# Allegro board HB1A-AAFM.brd
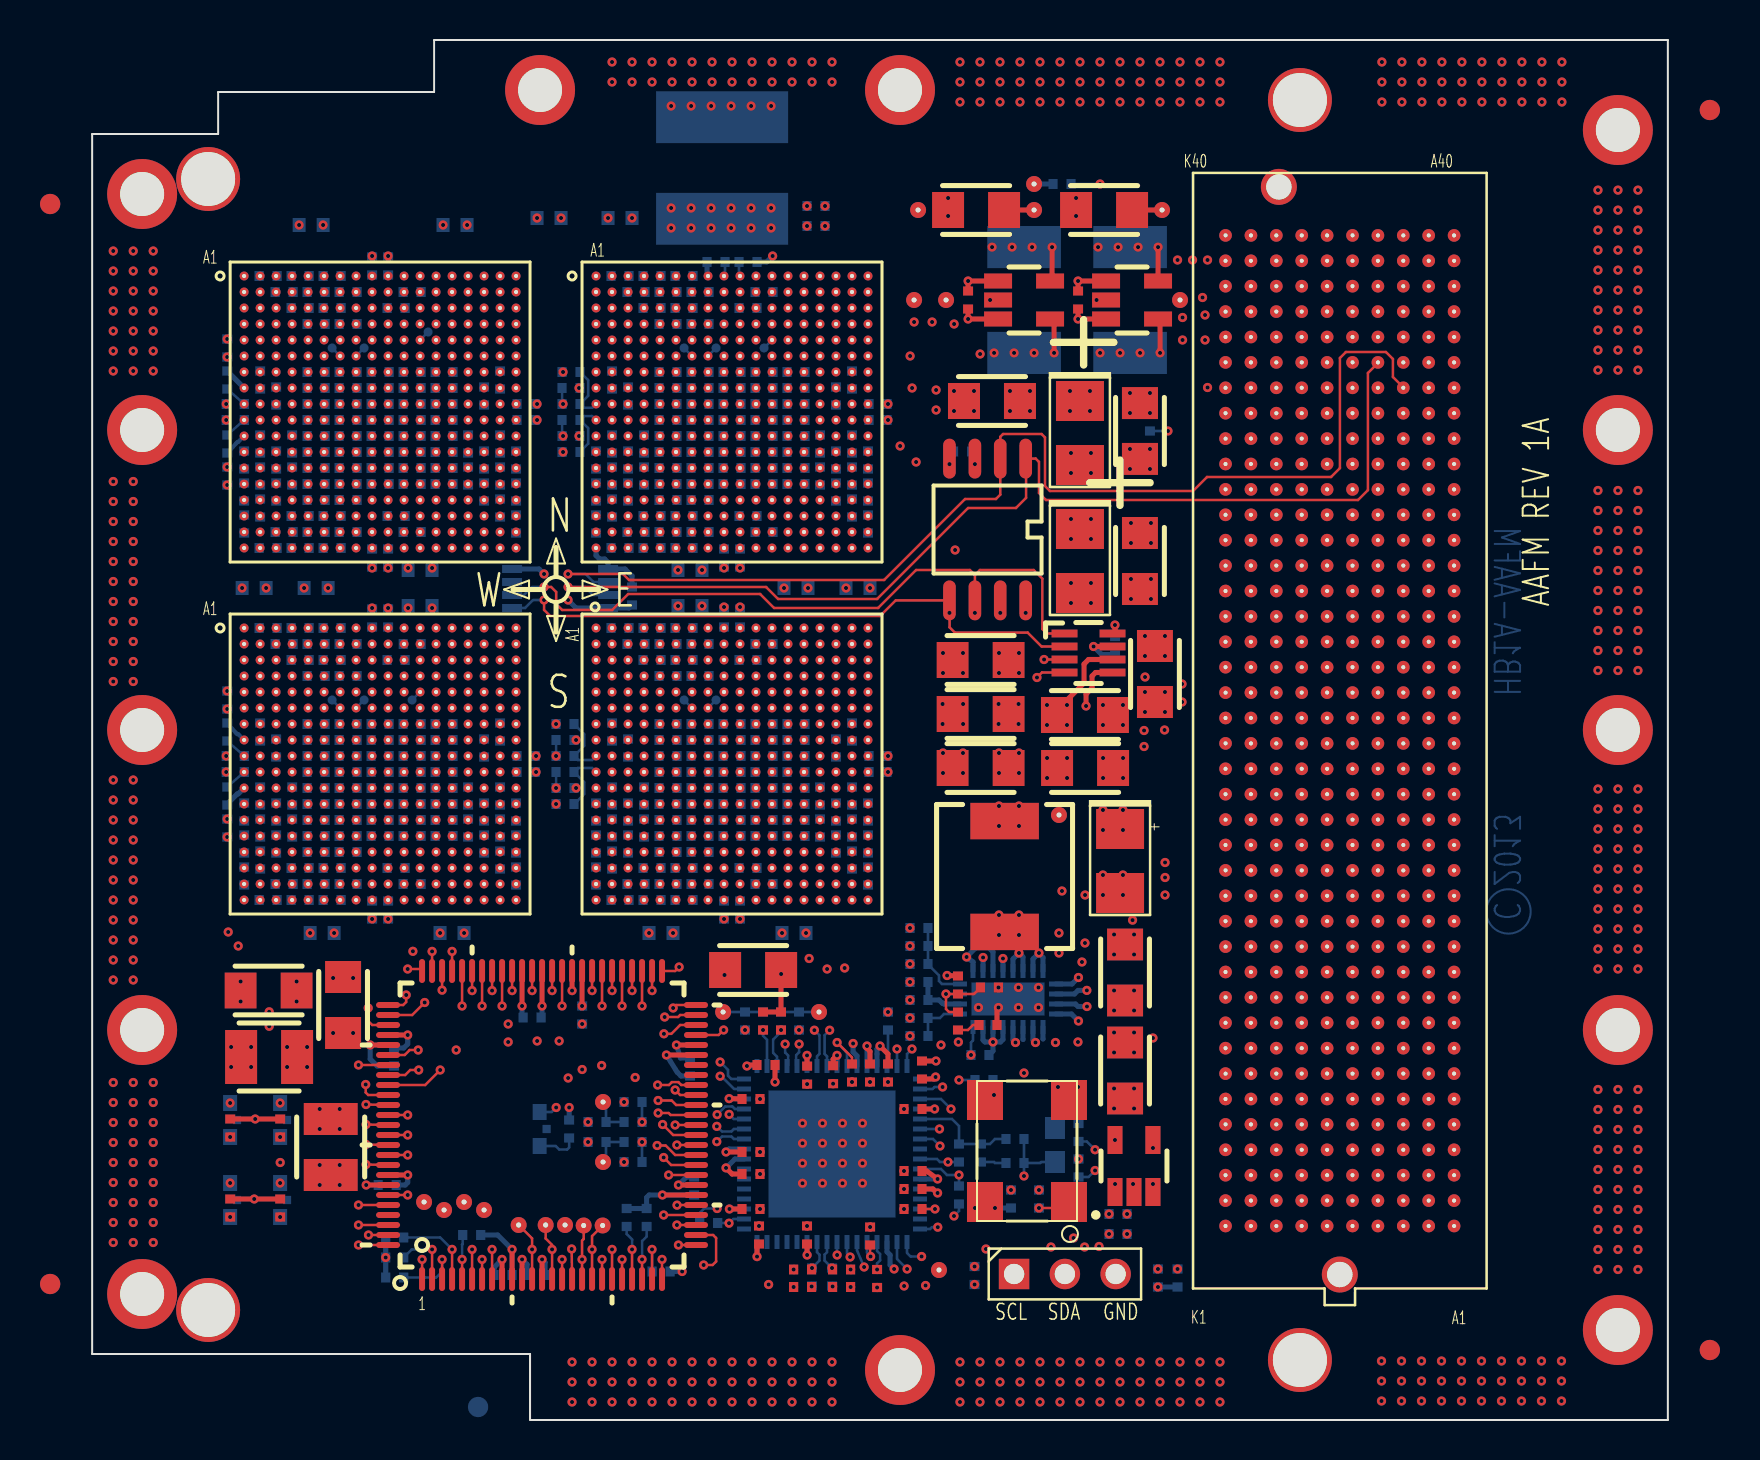
[diagram p0: board, top side]
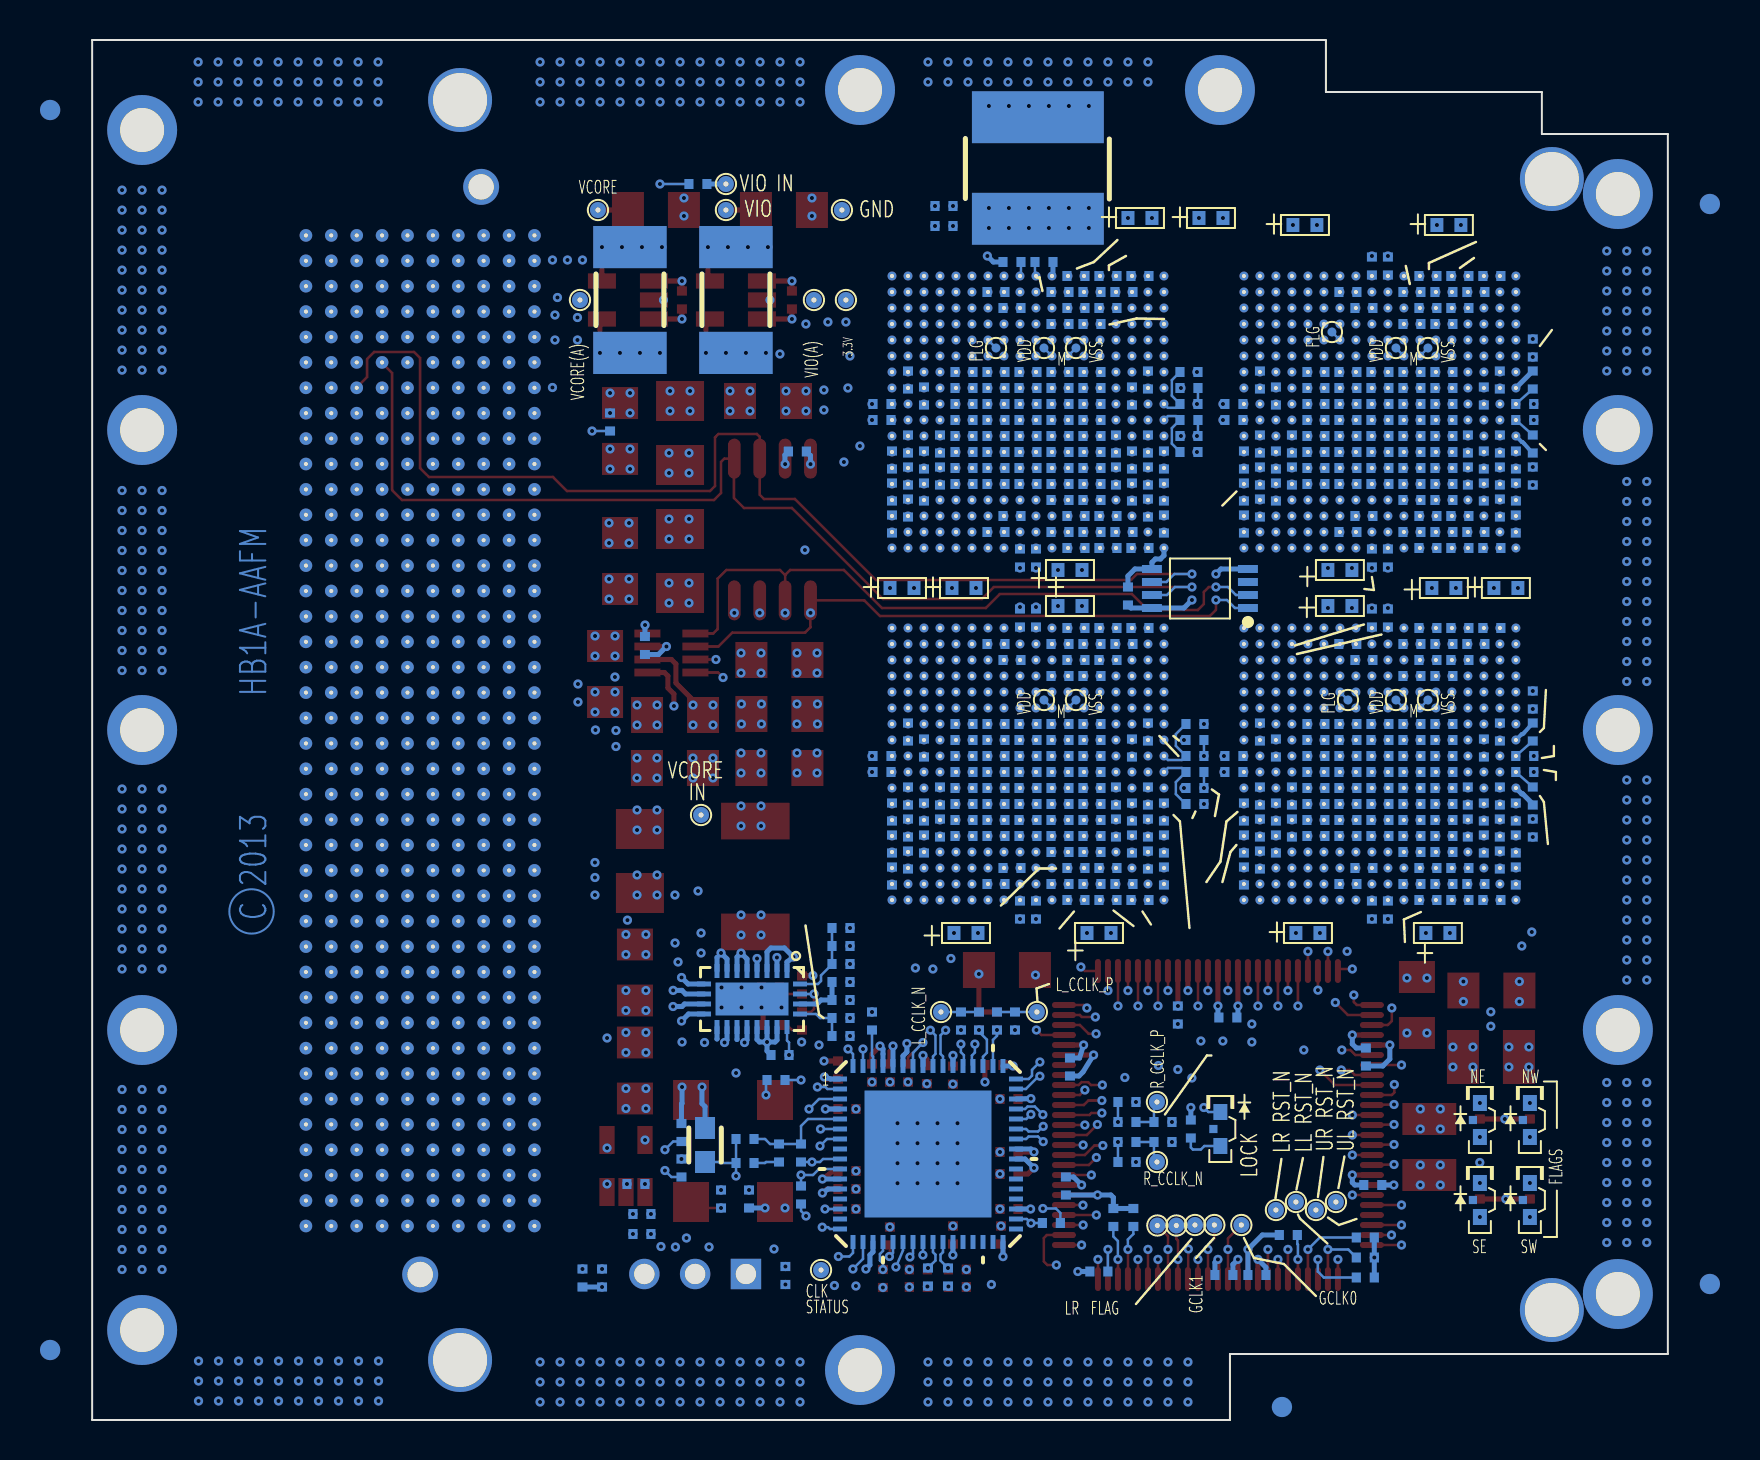
[diagram p1: board, bottom side, seen from below]

Outline 78.8 x 69 mm; copper layers: TOP, PWR_L2, GND_L3, SIGNAL_L4-Y, SIGNAL_L5-X, P3V3_L6, SIGNAL_L7-Y, SIGNAL_L8-X, GND_L9, PWR_L10, SIGNAL_L11-Y, SIGNAL_L12-X, GND_L13, SIGNAL_L14-Y, SIGNAL_L15-X, GND_L16, PWR_L17, BOTTOM. Coordinates in mm from the lower left corner of the outline.
Outline path: 0,64.3 0,3.3 21.9,3.3 21.9,0 78.8,0 78.8,69 17.1,69 17.1,66.4 6.3,66.4 6.3,64.3 0,64.3

## Design rules (mm)
net group FMC_CLK0_M2C: nets FMC_CLK0_M2C_N FMC_CLK0_M2C_P
net group FMC_CLK1_M2C: nets FMC_CLK1_M2C_N FMC_CLK1_M2C_P
net group FMC_CLK2_BIDIR: nets FMC_CLK2_BIDIR_N FMC_CLK2_BIDIR_P
net group FMC_CLK3_BIDIR: nets FMC_CLK3_BIDIR_N FMC_CLK3_BIDIR_P
net group GBTCLK0_M2C: nets GBTCLK0_M2C_N GBTCLK0_M2C_P
net group GBTCLK1_M2C: nets GBTCLK1_M2C_N GBTCLK1_M2C_P
net group LL_CCLK: nets LL_CCLK_N LL_CCLK_P
net group LL_D0: nets LL_LL_WW_DATA_N_0 LL_LL_WW_DATA_P_0
net group LL_D1: nets LL_LL_WW_DATA_N_1 LL_LL_WW_DATA_P_1
net group LL_D2: nets LL_LL_WW_DATA_N_2 LL_LL_WW_DATA_P_2
net group LL_D3: nets LL_LL_WW_DATA_N_3 LL_LL_WW_DATA_P_3
net group LL_D4: nets LL_LL_WW_DATA_N_4 LL_LL_WW_DATA_P_4
net group LL_D5: nets LL_LL_WW_DATA_N_5 LL_LL_WW_DATA_P_5
net group LL_D6: nets LL_LL_WW_DATA_N_6 LL_LL_WW_DATA_P_6
net group LL_D7: nets LL_LL_WW_DATA_N_7 LL_LL_WW_DATA_P_7
net group LL_FRAME: nets LL_LL_WW_FRAME_N LL_LL_WW_FRAME_P
net group LL_LCLK: nets LL_LL_WW_LCLK_N LL_LL_WW_LCLK_P
net group LL_LR_EW_D0: nets LL_LR_EW_DATA_N_0 LL_LR_EW_DATA_P_0
net group LL_LR_EW_D1: nets LL_LR_EW_DATA_N_1 LL_LR_EW_DATA_P_1
net group LL_LR_EW_D2: nets LL_LR_EW_DATA_N_2 LL_LR_EW_DATA_P_2
net group LL_LR_EW_D3: nets LL_LR_EW_DATA_N_3 LL_LR_EW_DATA_P_3
net group LL_LR_EW_D4: nets LL_LR_EW_DATA_N_4 LL_LR_EW_DATA_P_4
net group LL_LR_EW_D5: nets LL_LR_EW_DATA_N_5 LL_LR_EW_DATA_P_5
net group LL_LR_EW_D6: nets LL_LR_EW_DATA_N_6 LL_LR_EW_DATA_P_6
net group LL_LR_EW_D7: nets LL_LR_EW_DATA_N_7 LL_LR_EW_DATA_P_7
net group LL_LR_EW_FRAME: nets LL_LR_EW_FRAME_N LL_LR_EW_FRAME_P
net group LL_LR_EW_LCLK: nets LL_LR_EW_LCLK_N LL_LR_EW_LCLK_P
net group LL_LR_EW_RD_WAIT: nets LL_LR_EW_RD_WAIT_N LL_LR_EW_RD_WAIT_P
net group LL_LR_EW_WR_WAIT: nets LL_LR_EW_WR_WAIT_N LL_LR_EW_WR_WAIT_P
net group LL_RD_WAIT: nets LL_LL_WW_RD_WAIT_N LL_LL_WW_RD_WAIT_P
net group LL_UL_NS_D0: nets LL_UL_NS_DATA_N_0 LL_UL_NS_DATA_P_0
net group LL_UL_NS_D1: nets LL_UL_NS_DATA_N_1 LL_UL_NS_DATA_P_1
net group LL_UL_NS_D2: nets LL_UL_NS_DATA_N_2 LL_UL_NS_DATA_P_2
net group LL_UL_NS_D3: nets LL_UL_NS_DATA_N_3 LL_UL_NS_DATA_P_3
net group LL_UL_NS_D4: nets LL_UL_NS_DATA_N_4 LL_UL_NS_DATA_P_4
net group LL_UL_NS_D5: nets LL_UL_NS_DATA_N_5 LL_UL_NS_DATA_P_5
net group LL_UL_NS_D6: nets LL_UL_NS_DATA_N_6 LL_UL_NS_DATA_P_6
net group LL_UL_NS_D7: nets LL_UL_NS_DATA_N_7 LL_UL_NS_DATA_P_7
net group LL_UL_NS_FRAME: nets LL_UL_NS_FRAME_N LL_UL_NS_FRAME_P
net group LL_UL_NS_LCLK: nets LL_UL_NS_LCLK_N LL_UL_NS_LCLK_P
net group LL_UL_NS_RD_WAIT: nets LL_UL_NS_RD_WAIT_N LL_UL_NS_RD_WAIT_P
net group LL_UL_NS_WR_WAIT: nets LL_UL_NS_WR_WAIT_N LL_UL_NS_WR_WAIT_P
net group LL_UL_SN_D0: nets LL_UL_SN_DATA_N_0 LL_UL_SN_DATA_P_0
net group LL_UL_SN_D1: nets LL_UL_SN_DATA_N_1 LL_UL_SN_DATA_P_1
net group LL_UL_SN_D2: nets LL_UL_SN_DATA_N_2 LL_UL_SN_DATA_P_2
net group LL_UL_SN_D3: nets LL_UL_SN_DATA_N_3 LL_UL_SN_DATA_P_3
net group LL_UL_SN_D4: nets LL_UL_SN_DATA_N_4 LL_UL_SN_DATA_P_4
net group LL_UL_SN_D5: nets LL_UL_SN_DATA_N_5 LL_UL_SN_DATA_P_5
net group LL_UL_SN_D6: nets LL_UL_SN_DATA_N_6 LL_UL_SN_DATA_P_6
net group LL_UL_SN_D7: nets LL_UL_SN_DATA_N_7 LL_UL_SN_DATA_P_7
net group LL_UL_SN_FRAME: nets LL_UL_SN_FRAME_N LL_UL_SN_FRAME_P
net group LL_UL_SN_LCLK: nets LL_UL_SN_LCLK_N LL_UL_SN_LCLK_P
net group LL_UL_SN_RD_WAIT: nets LL_UL_SN_RD_WAIT_N LL_UL_SN_RD_WAIT_P
net group LL_UL_SN_WR_WAIT: nets LL_UL_SN_WR_WAIT_N LL_UL_SN_WR_WAIT_P
net group LL_WR_WAIT: nets LL_LL_WW_WR_WAIT_N LL_LL_WW_WR_WAIT_P
net group LR_LL_WE_D0: nets LR_LL_WE_DATA_N_0 LR_LL_WE_DATA_P_0
net group LR_LL_WE_D1: nets LR_LL_WE_DATA_N_1 LR_LL_WE_DATA_P_1
net group LR_LL_WE_D2: nets LR_LL_WE_DATA_N_2 LR_LL_WE_DATA_P_2
net group LR_LL_WE_D3: nets LR_LL_WE_DATA_N_3 LR_LL_WE_DATA_P_3
net group LR_LL_WE_D4: nets LR_LL_WE_DATA_N_4 LR_LL_WE_DATA_P_4
net group LR_LL_WE_D5: nets LR_LL_WE_DATA_N_5 LR_LL_WE_DATA_P_5
net group LR_LL_WE_D6: nets LR_LL_WE_DATA_N_6 LR_LL_WE_DATA_P_6
net group LR_LL_WE_D7: nets LR_LL_WE_DATA_N_7 LR_LL_WE_DATA_P_7
net group LR_LL_WE_FRAME: nets LR_LL_WE_FRAME_N LR_LL_WE_FRAME_P
net group LR_LL_WE_LCLK: nets LR_LL_WE_LCLK_N LR_LL_WE_LCLK_P
net group LR_LL_WE_RD_WAIT: nets LR_LL_WE_RD_WAIT_N LR_LL_WE_RD_WAIT_P
net group LR_LL_WE_WR_WAIT: nets LR_LL_WE_WR_WAIT_N LR_LL_WE_WR_WAIT_P
net group LR_UR_NS_D0: nets LR_UR_NS_DATA_N_0 LR_UR_NS_DATA_P_0
net group LR_UR_NS_D1: nets LR_UR_NS_DATA_N_1 LR_UR_NS_DATA_P_1
net group LR_UR_NS_D2: nets LR_UR_NS_DATA_N_2 LR_UR_NS_DATA_P_2
net group LR_UR_NS_D3: nets LR_UR_NS_DATA_N_3 LR_UR_NS_DATA_P_3
net group LR_UR_NS_D4: nets LR_UR_NS_DATA_N_4 LR_UR_NS_DATA_P_4
net group LR_UR_NS_D5: nets LR_UR_NS_DATA_N_5 LR_UR_NS_DATA_P_5
net group LR_UR_NS_D6: nets LR_UR_NS_DATA_N_6 LR_UR_NS_DATA_P_6
net group LR_UR_NS_D7: nets LR_UR_NS_DATA_N_7 LR_UR_NS_DATA_P_7
net group LR_UR_NS_FRAME: nets LR_UR_NS_FRAME_N LR_UR_NS_FRAME_P
net group LR_UR_NS_LCLK: nets LR_UR_NS_LCLK_N LR_UR_NS_LCLK_P
net group LR_UR_NS_RD_WAIT: nets LR_UR_NS_RD_WAIT_N LR_UR_NS_RD_WAIT_P
net group LR_UR_NS_WR_WAIT: nets LR_UR_NS_WR_WAIT_N LR_UR_NS_WR_WAIT_P
net group LR_UR_SN_D0: nets LR_UR_SN_DATA_N_0 LR_UR_SN_DATA_P_0
net group LR_UR_SN_D1: nets LR_UR_SN_DATA_N_1 LR_UR_SN_DATA_P_1
net group LR_UR_SN_D2: nets LR_UR_SN_DATA_N_2 LR_UR_SN_DATA_P_2
net group LR_UR_SN_D3: nets LR_UR_SN_DATA_N_3 LR_UR_SN_DATA_P_3
net group LR_UR_SN_D4: nets LR_UR_SN_DATA_N_4 LR_UR_SN_DATA_P_4
net group LR_UR_SN_D5: nets LR_UR_SN_DATA_N_5 LR_UR_SN_DATA_P_5
net group LR_UR_SN_D6: nets LR_UR_SN_DATA_N_6 LR_UR_SN_DATA_P_6
net group LR_UR_SN_D7: nets LR_UR_SN_DATA_N_7 LR_UR_SN_DATA_P_7
net group LR_UR_SN_FRAME: nets LR_UR_SN_FRAME_N LR_UR_SN_FRAME_P
net group LR_UR_SN_LCLK: nets LR_UR_SN_LCLK_N LR_UR_SN_LCLK_P
net group LR_UR_SN_RD_WAIT: nets LR_UR_SN_RD_WAIT_N LR_UR_SN_RD_WAIT_P
net group LR_UR_SN_WR_WAIT: nets LR_UR_SN_WR_WAIT_N LR_UR_SN_WR_WAIT_P
net group UL_CCLK: nets UL_CCLK_N UL_CCLK_P
net group UL_LL_NS_D0: nets UL_LL_NS_DATA_N_0 UL_LL_NS_DATA_P_0
net group UL_LL_NS_D1: nets UL_LL_NS_DATA_N_1 UL_LL_NS_DATA_P_1
net group UL_LL_NS_D2: nets UL_LL_NS_DATA_N_2 UL_LL_NS_DATA_P_2
net group UL_LL_NS_D3: nets UL_LL_NS_DATA_N_3 UL_LL_NS_DATA_P_3
net group UL_LL_NS_D4: nets UL_LL_NS_DATA_N_4 UL_LL_NS_DATA_P_4
net group UL_LL_NS_D5: nets UL_LL_NS_DATA_N_5 UL_LL_NS_DATA_P_5
net group UL_LL_NS_D6: nets UL_LL_NS_DATA_N_6 UL_LL_NS_DATA_P_6
net group UL_LL_NS_D7: nets UL_LL_NS_DATA_N_7 UL_LL_NS_DATA_P_7
net group UL_LL_NS_FRAME: nets UL_LL_NS_FRAME_N UL_LL_NS_FRAME_P
net group UL_LL_NS_LCLK: nets UL_LL_NS_LCLK_N UL_LL_NS_LCLK_P
net group UL_LL_NS_RD_WAIT: nets UL_LL_NS_RD_WAIT_N UL_LL_NS_RD_WAIT_P
net group UL_LL_NS_WR_WAIT: nets UL_LL_NS_WR_WAIT_N UL_LL_NS_WR_WAIT_P
net group UL_LL_SN_D0: nets UL_LL_SN_DATA_N_0 UL_LL_SN_DATA_P_0
net group UL_LL_SN_D1: nets UL_LL_SN_DATA_N_1 UL_LL_SN_DATA_P_1
net group UL_LL_SN_D2: nets UL_LL_SN_DATA_N_2 UL_LL_SN_DATA_P_2
net group UL_LL_SN_D3: nets UL_LL_SN_DATA_N_3 UL_LL_SN_DATA_P_3
net group UL_LL_SN_D4: nets UL_LL_SN_DATA_N_4 UL_LL_SN_DATA_P_4
net group UL_LL_SN_D5: nets UL_LL_SN_DATA_N_5 UL_LL_SN_DATA_P_5
net group UL_LL_SN_D6: nets UL_LL_SN_DATA_N_6 UL_LL_SN_DATA_P_6
net group UL_LL_SN_D7: nets UL_LL_SN_DATA_N_7 UL_LL_SN_DATA_P_7
net group UL_LL_SN_FRAME: nets UL_LL_SN_FRAME_N UL_LL_SN_FRAME_P
net group UL_LL_SN_LCLK: nets UL_LL_SN_LCLK_N UL_LL_SN_LCLK_P
net group UL_LL_SN_RD_WAIT: nets UL_LL_SN_RD_WAIT_N UL_LL_SN_RD_WAIT_P
net group UL_LL_SN_WR_WAIT: nets UL_LL_SN_WR_WAIT_N UL_LL_SN_WR_WAIT_P
net group UL_UL_WW_D0: nets UL_UL_WW_DATA_N_0 UL_UL_WW_DATA_P_0
net group UL_UL_WW_D1: nets UL_UL_WW_DATA_N_1 UL_UL_WW_DATA_P_1
net group UL_UL_WW_D2: nets UL_UL_WW_DATA_N_2 UL_UL_WW_DATA_P_2
net group UL_UL_WW_D3: nets UL_UL_WW_DATA_N_3 UL_UL_WW_DATA_P_3
net group UL_UL_WW_D4: nets UL_UL_WW_DATA_N_4 UL_UL_WW_DATA_P_4
net group UL_UL_WW_D5: nets UL_UL_WW_DATA_N_5 UL_UL_WW_DATA_P_5
net group UL_UL_WW_D6: nets UL_UL_WW_DATA_N_6 UL_UL_WW_DATA_P_6
net group UL_UL_WW_D7: nets UL_UL_WW_DATA_N_7 UL_UL_WW_DATA_P_7
net group UL_UL_WW_FRAME: nets UL_UL_WW_FRAME_N UL_UL_WW_FRAME_P
net group UL_UL_WW_LCLK: nets UL_UL_WW_LCLK_N UL_UL_WW_LCLK_P
net group UL_UL_WW_RD_WAIT: nets UL_UL_WW_RD_WAIT_N UL_UL_WW_RD_WAIT_P
net group UL_UL_WW_WR_WAIT: nets UL_UL_WW_WR_WAIT_N UL_UL_WW_WR_WAIT_P
net group UL_UR_EW_D0: nets UL_UR_EW_DATA_N_0 UL_UR_EW_DATA_P_0
net group UL_UR_EW_D1: nets UL_UR_EW_DATA_N_1 UL_UR_EW_DATA_P_1
net group UL_UR_EW_D2: nets UL_UR_EW_DATA_N_2 UL_UR_EW_DATA_P_2
net group UL_UR_EW_D3: nets UL_UR_EW_DATA_N_3 UL_UR_EW_DATA_P_3
net group UL_UR_EW_D4: nets UL_UR_EW_DATA_N_4 UL_UR_EW_DATA_P_4
net group UL_UR_EW_D5: nets UL_UR_EW_DATA_N_5 UL_UR_EW_DATA_P_5
net group UL_UR_EW_D6: nets UL_UR_EW_DATA_N_6 UL_UR_EW_DATA_P_6
net group UL_UR_EW_D7: nets UL_UR_EW_DATA_N_7 UL_UR_EW_DATA_P_7
net group UL_UR_EW_FRAME: nets UL_UR_EW_FRAME_N UL_UR_EW_FRAME_P
net group UL_UR_EW_LCLK: nets UL_UR_EW_LCLK_N UL_UR_EW_LCLK_P
net group UL_UR_EW_RD_WAIT: nets UL_UR_EW_RD_WAIT_N UL_UR_EW_RD_WAIT_P
net group UL_UR_EW_WR_WAIT: nets UL_UR_EW_WR_WAIT_N UL_UR_EW_WR_WAIT_P
net group UR_CCLK: nets UR_CCLK_N UR_CCLK_P
net group UR_LR_NS_D0: nets UR_LR_NS_DATA_N_0 UR_LR_NS_DATA_P_0
net group UR_LR_NS_D1: nets UR_LR_NS_DATA_N_1 UR_LR_NS_DATA_P_1
net group UR_LR_NS_D2: nets UR_LR_NS_DATA_N_2 UR_LR_NS_DATA_P_2
net group UR_LR_NS_D3: nets UR_LR_NS_DATA_N_3 UR_LR_NS_DATA_P_3
net group UR_LR_NS_D4: nets UR_LR_NS_DATA_N_4 UR_LR_NS_DATA_P_4
net group UR_LR_NS_D5: nets UR_LR_NS_DATA_N_5 UR_LR_NS_DATA_P_5
net group UR_LR_NS_D6: nets UR_LR_NS_DATA_N_6 UR_LR_NS_DATA_P_6
net group UR_LR_NS_D7: nets UR_LR_NS_DATA_N_7 UR_LR_NS_DATA_P_7
net group UR_LR_NS_FRAME: nets UR_LR_NS_FRAME_N UR_LR_NS_FRAME_P
net group UR_LR_NS_LCLK: nets UR_LR_NS_LCLK_N UR_LR_NS_LCLK_P
net group UR_LR_NS_RD_WAIT: nets UR_LR_NS_RD_WAIT_N UR_LR_NS_RD_WAIT_P
net group UR_LR_NS_WR_WAIT: nets UR_LR_NS_WR_WAIT_N UR_LR_NS_WR_WAIT_P
net group UR_LR_SN_D0: nets UR_LR_SN_DATA_N_0 UR_LR_SN_DATA_P_0
net group UR_LR_SN_D1: nets UR_LR_SN_DATA_N_1 UR_LR_SN_DATA_P_1
net group UR_LR_SN_D2: nets UR_LR_SN_DATA_N_2 UR_LR_SN_DATA_P_2
net group UR_LR_SN_D3: nets UR_LR_SN_DATA_N_3 UR_LR_SN_DATA_P_3
net group UR_LR_SN_D4: nets UR_LR_SN_DATA_N_4 UR_LR_SN_DATA_P_4
net group UR_LR_SN_D5: nets UR_LR_SN_DATA_N_5 UR_LR_SN_DATA_P_5
net group UR_LR_SN_D6: nets UR_LR_SN_DATA_N_6 UR_LR_SN_DATA_P_6
net group UR_LR_SN_D7: nets UR_LR_SN_DATA_N_7 UR_LR_SN_DATA_P_7
net group UR_LR_SN_FRAME: nets UR_LR_SN_FRAME_N UR_LR_SN_FRAME_P
net group UR_LR_SN_LCLK: nets UR_LR_SN_LCLK_N UR_LR_SN_LCLK_P
net group UR_LR_SN_RD_WAIT: nets UR_LR_SN_RD_WAIT_N UR_LR_SN_RD_WAIT_P
net group UR_LR_SN_WR_WAIT: nets UR_LR_SN_WR_WAIT_N UR_LR_SN_WR_WAIT_P
net group UR_UL_WE_D0: nets UR_UL_WE_DATA_N_0 UR_UL_WE_DATA_P_0
net group UR_UL_WE_D1: nets UR_UL_WE_DATA_N_1 UR_UL_WE_DATA_P_1
net group UR_UL_WE_D2: nets UR_UL_WE_DATA_N_2 UR_UL_WE_DATA_P_2
net group UR_UL_WE_D3: nets UR_UL_WE_DATA_N_3 UR_UL_WE_DATA_P_3
net group UR_UL_WE_D4: nets UR_UL_WE_DATA_N_4 UR_UL_WE_DATA_P_4
net group UR_UL_WE_D5: nets UR_UL_WE_DATA_N_5 UR_UL_WE_DATA_P_5
net group UR_UL_WE_D6: nets UR_UL_WE_DATA_N_6 UR_UL_WE_DATA_P_6
net group UR_UL_WE_D7: nets UR_UL_WE_DATA_N_7 UR_UL_WE_DATA_P_7
net group UR_UL_WE_FRAME: nets UR_UL_WE_FRAME_N UR_UL_WE_FRAME_P
net group UR_UL_WE_LCLK: nets UR_UL_WE_LCLK_N UR_UL_WE_LCLK_P
net group UR_UL_WE_RD_WAIT: nets UR_UL_WE_RD_WAIT_N UR_UL_WE_RD_WAIT_P
net group UR_UL_WE_WR_WAIT: nets UR_UL_WE_WR_WAIT_N UR_UL_WE_WR_WAIT_P
net group XFMC_CLK: nets XFMC_CLK_N XFMC_CLK_P
net group XLEFT_CCLK: nets XLEFT_CCLK_N XLEFT_CCLK_P
net group XLL_CCLK: nets XLL_CCLK_N XLL_CCLK_P
net group XLR_CCLK: nets XLR_CCLK_N XLR_CCLK_P
net group XRIGHT_CCLK: nets XRIGHT_CCLK_N XRIGHT_CCLK_P
net group XUL_CCLK: nets XUL_CCLK_N XUL_CCLK_P
net group XUR_CCLK: nets XUR_CCLK_N XUR_CCLK_P
net group LR_RX_EAST: nets LR_RXI_EA_DATA_N_0 LR_RXI_EA_DATA_N_1 LR_RXI_EA_DATA_N_2 LR_RXI_EA_DATA_N_3 LR_RXI_EA_DATA_N_4 LR_RXI_EA_DATA_N_5 LR_RXI_EA_DATA_N_6 LR_RXI_EA_DATA_N_7 LR_RXI_EA_DATA_P_0 LR_RXI_EA_DATA_P_1 LR_RXI_EA_DATA_P_2 LR_RXI_EA_DATA_P_3 LR_RXI_EA_DATA_P_4 LR_RXI_EA_DATA_P_5 LR_RXI_EA_DATA_P_6 LR_RXI_EA_DATA_P_7 LR_RXI_EA_FRAME_N LR_RXI_EA_FRAME_P LR_RXI_EA_LCLK_N LR_RXI_EA_LCLK_P LR_RXO_EA_RD_WAIT_N LR_RXO_EA_RD_WAIT_P LR_RXO_EA_WR_WAIT_N LR_RXO_EA_WR_WAIT_P
net group LR_TX_EAST: nets LR_TXI_EA_RD_WAIT_N LR_TXI_EA_RD_WAIT_P LR_TXI_EA_WR_WAIT_N LR_TXI_EA_WR_WAIT_P LR_TXO_EA_DATA_N_0 LR_TXO_EA_DATA_N_1 LR_TXO_EA_DATA_N_2 LR_TXO_EA_DATA_N_3 LR_TXO_EA_DATA_N_4 LR_TXO_EA_DATA_N_5 LR_TXO_EA_DATA_N_6 LR_TXO_EA_DATA_N_7 LR_TXO_EA_DATA_P_0 LR_TXO_EA_DATA_P_1 LR_TXO_EA_DATA_P_2 LR_TXO_EA_DATA_P_3 LR_TXO_EA_DATA_P_4 LR_TXO_EA_DATA_P_5 LR_TXO_EA_DATA_P_6 LR_TXO_EA_DATA_P_7 LR_TXO_EA_FRAME_N LR_TXO_EA_FRAME_P LR_TXO_EA_LCLK_N LR_TXO_EA_LCLK_P
net group UR_RX_EAST: nets UR_RXI_EA_DATA_N_0 UR_RXI_EA_DATA_N_1 UR_RXI_EA_DATA_N_2 UR_RXI_EA_DATA_N_3 UR_RXI_EA_DATA_N_4 UR_RXI_EA_DATA_N_5 UR_RXI_EA_DATA_N_6 UR_RXI_EA_DATA_N_7 UR_RXI_EA_DATA_P_0 UR_RXI_EA_DATA_P_1 UR_RXI_EA_DATA_P_2 UR_RXI_EA_DATA_P_3 UR_RXI_EA_DATA_P_4 UR_RXI_EA_DATA_P_5 UR_RXI_EA_DATA_P_6 UR_RXI_EA_DATA_P_7 UR_RXI_EA_FRAME_N UR_RXI_EA_FRAME_P UR_RXI_EA_LCLK_N UR_RXI_EA_LCLK_P UR_RXO_EA_RD_WAIT_N UR_RXO_EA_RD_WAIT_P UR_RXO_EA_WR_WAIT_N UR_RXO_EA_WR_WAIT_P
net group UR_TXO_EA: nets UR_TXO_EA_DATA_N_0 UR_TXO_EA_DATA_N_1 UR_TXO_EA_DATA_N_2 UR_TXO_EA_DATA_N_3 UR_TXO_EA_DATA_N_4 UR_TXO_EA_DATA_N_5 UR_TXO_EA_DATA_N_6 UR_TXO_EA_DATA_N_7 UR_TXO_EA_DATA_P_0 UR_TXO_EA_DATA_P_1 UR_TXO_EA_DATA_P_2 UR_TXO_EA_DATA_P_3 UR_TXO_EA_DATA_P_4 UR_TXO_EA_DATA_P_5 UR_TXO_EA_DATA_P_6 UR_TXO_EA_DATA_P_7 UR_TXO_EA_FRAME_N UR_TXO_EA_FRAME_P UR_TXO_EA_LCLK_N UR_TXO_EA_LCLK_P

## Placement (name value [footprint] x y rotation side)
C1  22.0 uF  [1206_1P78]  44.2 60.5 180 top
C2  0.1 uF  [0402]  49.3 56 90 top
C3  22.0 uF  [1206_1P78]  50.6 60.5 180 top
C4  0.1 uF  [0402]  43.8 56 90 top
C5  22.0 uF  [1206_1P78]  45 50.95 180 top
C6  100.0 uF  [3528_12]  49.4 49.35 270 top
C7  100.0 uF  [3528_12]  49.4 42.95 270 top
C8  22.0 uF  [1206_1P78]  52.4 42.95 270 top
C9  22.0 uF  [1206_1P78]  44.43 38 0 top
C10  22.0 uF  [1206_1P78]  53.15 37.3 270 top
C11  22.0 uF  [1206_1P78]  44.43 35.3 180 top
C12  22.0 uF  [1206_1P78]  49.65 35.25 0 top
C13  22.0 uF  [1206_1P78]  44.43 32.6 180 top
C14  22.0 uF  [1206_1P78]  49.66 32.6 0 top
C15  100.0 uF  [3528_12]  51.41 27.95 270 top
C16  22.0 uF  [1206_1P78]  33.05 22.5 180 top
C17  22.0 uF  [1206_1P78]  51.66 22.38 270 top
C18  22.0 uF  [1206_1P78]  8.82 21.48 180 top
C19  33.0 pF  [0402]  44.88 21.62 0 top
C20  22.0 uF  [1206_1P78]  12.55 20.75 90 top
C21  820.0 pF  [0402]  44.8 19.75 0 top
C22  0.1 uF  [0402]  33.7 17.75 0 top
C23  0.1 uF  [0402]  41.5 17.5 90 top
C24  22.0 uF  [1206_1P78]  51.66 17.48 90 top
C25  0.1 uF  [0402]  38.9 17.35 270 top
C26  0.1 uF  [0402]  39.8 17.35 270 top
C27  0.1 uF  [0402]  37.05 17.27 270 top
C28  0.1 uF  [0402]  35.75 17.24 270 top
C29  0.1 uF  [0402]  32.95 16.05 0 top
C30  22.0 uF  [1210_2P70]  8.85 18.15 180 top
C31  0.1 uF  [0402]  41.05 15.55 180 top
C32  0.1 uF  [0402]  32.95 13.4 0 top
C33  0.1 uF  [0402]  41.05 12.45 180 top
C34  0.1 uF  [0402]  32.95 12.3 0 top
C35  0.1 uF  [0402]  41.05 11.55 180 top
C36  22.0 uF  [1210_2P70]  11.93 13.65 270 top
C37  0.1 uF  [0402]  32.95 10.55 0 top
C38  0.1 uF  [0402]  41.05 10.55 0 top
C39  0.1 uF  [0402]  33.35 9.25 90 top
C40  0.1 uF  [0402]  35.75 9.25 90 top
C41  0.1 uF  [0402]  51.6 11.8 0 bottom
C42  0.1 uF  [0402]  51.16 38.73 270 bottom
C43  0.22 uF  [0603]  48.15 13.75 90 bottom
C44  820.0 pF  [0402]  46.15 14.05 0 bottom
C45  0.022 uF  [0402]  46.15 12.85 0 bottom
C46  0.1 uF  [0402]  45.95 11.05 90 bottom
C47  0.1 uF  [0402]  43.53 48.42 180 bottom
C48  470.0 pF  [0402]  43.35 11.25 90 bottom
C49  22.0 uF  [0603_0P90MM_TANT]  38.3 41.6 180 bottom
C50  0.1 uF  [0402]  35.2 52.4 0 bottom
C51  0.1 uF  [0402]  35.2 51.6 180 bottom
C52  0.1 uF  [0402]  35.2 50.8 0 bottom
C53  0.1 uF  [0402]  35.2 50 180 bottom
C54  0.1 uF  [0402]  35.2 49.2 0 bottom
C55  0.1 uF  [0402]  35.2 48.4 180 bottom
C56  0.1 uF  [0402]  35.2 47.6 0 bottom
C57  0.1 uF  [0402]  35.2 46.8 180 bottom
C58  22.0 uF  [0603_0P90MM_TANT]  35.2 41.6 180 bottom
C59  0.1 uF  [0402]  35.2 34.8 0 bottom
C60  0.1 uF  [0402]  35.2 34 180 bottom
C61  0.1 uF  [0402]  35.2 33.2 0 bottom
C62  0.1 uF  [0402]  35.2 32.4 180 bottom
C63  0.1 uF  [0402]  35.2 31.6 0 bottom
C64  0.1 uF  [0402]  35.2 30.8 180 bottom
C65  0.1 uF  [0402]  35.2 30 0 bottom
C66  0.1 uF  [0402]  35.2 29.2 180 bottom
C67  22.0 uF  [0603_0P90MM_TANT]  35.1 24.35 180 bottom
C68  0.1 uF  [0402]  33.6 52.4 0 bottom
C69  0.1 uF  [0402]  33.6 51.6 180 bottom
C70  0.1 uF  [0402]  33.6 50.8 0 bottom
C71  0.1 uF  [0402]  33.6 50 180 bottom
C72  0.1 uF  [0402]  33.6 49.2 0 bottom
C73  0.1 uF  [0402]  33.6 48.4 180 bottom
C74  0.1 uF  [0402]  33.6 47.6 0 bottom
C75  0.1 uF  [0402]  33.6 46.8 180 bottom
C76  0.1 uF  [0402]  33.6 34.8 0 bottom
C77  0.1 uF  [0402]  33.6 34 180 bottom
C78  0.1 uF  [0402]  33.6 33.2 0 bottom
C79  0.1 uF  [0402]  33.6 32.4 180 bottom
C80  0.1 uF  [0402]  33.6 31.6 0 bottom
C81  0.1 uF  [0402]  33.6 30.8 180 bottom
C82  0.1 uF  [0402]  33.6 30 0 bottom
C83  0.1 uF  [0402]  33.6 29.2 180 bottom
C84  0.1 uF  [0402]  32 52.4 0 bottom
C85  0.1 uF  [0402]  32 51.6 180 bottom
C86  0.1 uF  [0402]  32 50.8 0 bottom
C87  0.1 uF  [0402]  32 50 180 bottom
C88  0.1 uF  [0402]  32 49.2 0 bottom
C89  0.1 uF  [0402]  32 48.4 180 bottom
C90  0.1 uF  [0402]  32 47.6 0 bottom
C91  0.1 uF  [0402]  32 46.8 180 bottom
C92  0.1 uF  [0402]  32 34.8 0 bottom
C93  0.1 uF  [0402]  32 34 180 bottom
C94  0.1 uF  [0402]  32 33.2 0 bottom
C95  0.1 uF  [0402]  32 32.4 180 bottom
C96  0.1 uF  [0402]  32 31.6 0 bottom
C97  0.1 uF  [0402]  32 30.8 180 bottom
C98  0.1 uF  [0402]  32 30 0 bottom
C99  0.1 uF  [0402]  32 29.2 180 bottom
C100  0.1 uF  [0402]  30.4 52.4 0 bottom
C101  0.1 uF  [0402]  30.4 51.6 180 bottom
C102  0.1 uF  [0402]  30.4 50.8 0 bottom
C103  0.1 uF  [0402]  30.4 50 180 bottom
C104  0.1 uF  [0402]  30.4 49.2 0 bottom
C105  0.1 uF  [0402]  30.4 48.4 180 bottom
C106  0.1 uF  [0402]  30.4 47.6 0 bottom
C107  0.1 uF  [0402]  30.4 46.8 180 bottom
C108  0.1 uF  [0402]  30.4 34.8 0 bottom
C109  0.1 uF  [0402]  30.4 34 180 bottom
C110  0.1 uF  [0402]  30.4 33.2 0 bottom
C111  0.1 uF  [0402]  30.4 32.4 180 bottom
C112  0.1 uF  [0402]  30.4 31.6 0 bottom
C113  0.1 uF  [0402]  30.4 30.8 180 bottom
C114  0.1 uF  [0402]  30.4 30 0 bottom
C115  0.1 uF  [0402]  30.4 29.2 180 bottom
C116  22.0 uF  [0603_0P90MM_TANT]  29.9 42.5 180 bottom
C117  22.0 uF  [0603_0P90MM_TANT]  29.9 40.7 180 bottom
C118  0.1 uF  [0402]  29.9 17.65 90 bottom
C119  0.1 uF  [0402]  28.8 52.4 0 bottom
C120  0.1 uF  [0402]  28.8 51.6 180 bottom
C121  0.1 uF  [0402]  28.8 50.8 0 bottom
C122  0.1 uF  [0402]  28.8 50 180 bottom
C123  0.1 uF  [0402]  28.8 49.2 0 bottom
C124  0.1 uF  [0402]  28.8 48.4 180 bottom
C125  0.1 uF  [0402]  28.8 47.6 0 bottom
C126  0.1 uF  [0402]  28.8 46.8 180 bottom
C127  0.1 uF  [0402]  28.8 34.8 0 bottom
C128  0.1 uF  [0402]  28.8 34 180 bottom
C129  0.1 uF  [0402]  28.8 33.2 0 bottom
C130  0.1 uF  [0402]  28.8 32.4 180 bottom
C131  0.1 uF  [0402]  28.8 31.6 0 bottom
C132  0.1 uF  [0402]  28.8 30.8 180 bottom
C133  0.1 uF  [0402]  28.8 30 0 bottom
C134  0.1 uF  [0402]  28.8 29.2 180 bottom
C135  22.0 uF  [0603_0P90MM_TANT]  28.45 24.35 180 bottom
C136  0.1 uF  [0402]  30.1 11.7 90 bottom
C137  0.1 uF  [0402]  27 41.2 90 bottom
C138  22.0 uF  [0603_0P90MM_TANT]  26.4 60.1 180 bottom
C139  0.1 uF  [0402]  24.5 20.25 270 bottom
C140  22.0 uF  [0603_0P90MM_TANT]  22.85 60.1 180 bottom
C141  0.1 uF  [0402]  22.2 7.25 180 bottom
C142  0.1 uF  [0402]  22 20.12 180 bottom
C143  0.1 uF  [0402]  20.55 7.25 0 bottom
C144  22.0 uF  [0603_0P90MM_TANT]  18.15 59.75 180 bottom
C145  22.0 uF  [0603_0P90MM_TANT]  18 24.35 180 bottom
C146  0.1 uF  [0402]  17.6 52.4 0 bottom
C147  0.1 uF  [0402]  17.6 51.6 180 bottom
C148  0.1 uF  [0402]  17.6 50.8 0 bottom
C149  0.1 uF  [0402]  17.6 50 180 bottom
C150  0.1 uF  [0402]  17.6 49.2 0 bottom
C151  0.1 uF  [0402]  17.6 48.4 180 bottom
C152  0.1 uF  [0402]  17.6 47.6 0 bottom
C153  0.1 uF  [0402]  17.6 46.8 180 bottom
C154  0.1 uF  [0402]  17.6 34.8 0 bottom
C155  0.1 uF  [0402]  17.6 34 180 bottom
C156  0.1 uF  [0402]  17.6 33.2 0 bottom
C157  0.1 uF  [0402]  17.6 32.4 180 bottom
C158  0.1 uF  [0402]  17.6 31.6 0 bottom
C159  0.1 uF  [0402]  17.6 30.8 180 bottom
C160  0.1 uF  [0402]  17.6 30 0 bottom
C161  0.1 uF  [0402]  17.6 29.2 180 bottom
C162  22.0 uF  [0603_0P90MM_TANT]  16.4 42.5 180 bottom
C163  22.0 uF  [0603_0P90MM_TANT]  16.4 40.7 180 bottom
C164  0.1 uF  [0402]  16 52.4 0 bottom
C165  0.1 uF  [0402]  16 51.6 180 bottom
C166  0.1 uF  [0402]  16 50.8 0 bottom
C167  0.1 uF  [0402]  16 50 180 bottom
C168  0.1 uF  [0402]  16 49.2 0 bottom
C169  0.1 uF  [0402]  16 48.4 180 bottom
C170  0.1 uF  [0402]  16 47.6 0 bottom
C171  0.1 uF  [0402]  16 46.8 180 bottom
C172  0.1 uF  [0402]  16 34.8 0 bottom
C173  0.1 uF  [0402]  16 34 180 bottom
C174  0.1 uF  [0402]  16 33.2 0 bottom
C175  0.1 uF  [0402]  16 32.4 180 bottom
C176  0.1 uF  [0402]  16 31.6 0 bottom
C177  0.1 uF  [0402]  16 30.8 180 bottom
C178  0.1 uF  [0402]  16 30 0 bottom
C179  0.1 uF  [0402]  16 29.2 180 bottom
C180  0.1 uF  [0402]  15.1 18.15 90 bottom
C181  0.1 uF  [0402]  14.75 11.75 0 bottom
C182  0.1 uF  [0402]  14.4 52.4 0 bottom
C183  0.1 uF  [0402]  14.4 51.6 180 bottom
C184  0.1 uF  [0402]  14.4 50.8 0 bottom
C185  0.1 uF  [0402]  14.4 50 180 bottom
C186  0.1 uF  [0402]  14.4 49.2 0 bottom
C187  0.1 uF  [0402]  14.4 48.4 180 bottom
C188  0.1 uF  [0402]  14.4 47.6 0 bottom
C189  0.1 uF  [0402]  14.4 46.8 180 bottom
C190  0.1 uF  [0402]  14.4 34.8 0 bottom
C191  0.1 uF  [0402]  14.4 34 180 bottom
C192  0.1 uF  [0402]  14.4 33.2 0 bottom
C193  0.1 uF  [0402]  14.4 32.4 180 bottom
C194  0.1 uF  [0402]  14.4 31.6 0 bottom
C195  0.1 uF  [0402]  14.4 30.8 180 bottom
C196  0.1 uF  [0402]  14.4 30 0 bottom
C197  0.1 uF  [0402]  14.4 29.2 180 bottom
C198  0.1 uF  [0402]  12.8 52.4 0 bottom
C199  0.1 uF  [0402]  12.8 51.6 180 bottom
C200  0.1 uF  [0402]  12.8 50.8 0 bottom
C201  0.1 uF  [0402]  12.8 50 180 bottom
C202  0.1 uF  [0402]  12.8 49.2 0 bottom
C203  0.1 uF  [0402]  12.8 48.4 180 bottom
C204  0.1 uF  [0402]  12.8 47.6 0 bottom
C205  0.1 uF  [0402]  12.8 46.8 180 bottom
C206  0.1 uF  [0402]  12.8 34.8 0 bottom
C207  0.1 uF  [0402]  12.8 34 180 bottom
C208  0.1 uF  [0402]  12.8 33.2 0 bottom
C209  0.1 uF  [0402]  12.8 32.4 180 bottom
C210  0.1 uF  [0402]  12.8 31.6 0 bottom
C211  0.1 uF  [0402]  12.8 30.8 180 bottom
C212  0.1 uF  [0402]  12.8 30 0 bottom
C213  0.1 uF  [0402]  12.8 29.2 180 bottom
C214  22.0 uF  [0603_0P90MM_TANT]  11.5 24.35 180 bottom
C215  0.1 uF  [0402]  11.2 52.4 0 bottom
C216  0.1 uF  [0402]  11.2 51.6 180 bottom
C217  0.1 uF  [0402]  11.2 50.8 0 bottom
C218  0.1 uF  [0402]  11.2 50 180 bottom
C219  0.1 uF  [0402]  11.2 49.2 0 bottom
C220  0.1 uF  [0402]  11.2 48.4 180 bottom
C221  0.1 uF  [0402]  11.2 47.6 0 bottom
C222  0.1 uF  [0402]  11.2 46.8 180 bottom
C223  22.0 uF  [0603_0P90MM_TANT]  11.2 41.6 180 bottom
C224  0.1 uF  [0402]  11.2 34.8 0 bottom
C225  0.1 uF  [0402]  11.2 34 180 bottom
C226  0.1 uF  [0402]  11.2 33.2 0 bottom
C227  0.1 uF  [0402]  11.2 32.4 180 bottom
C228  0.1 uF  [0402]  11.2 31.6 0 bottom
C229  0.1 uF  [0402]  11.2 30.8 180 bottom